# KiCad board SparkFun_GNSS_LG580P_panelized.kicad_pcb
note: Designed by: N. Seidle
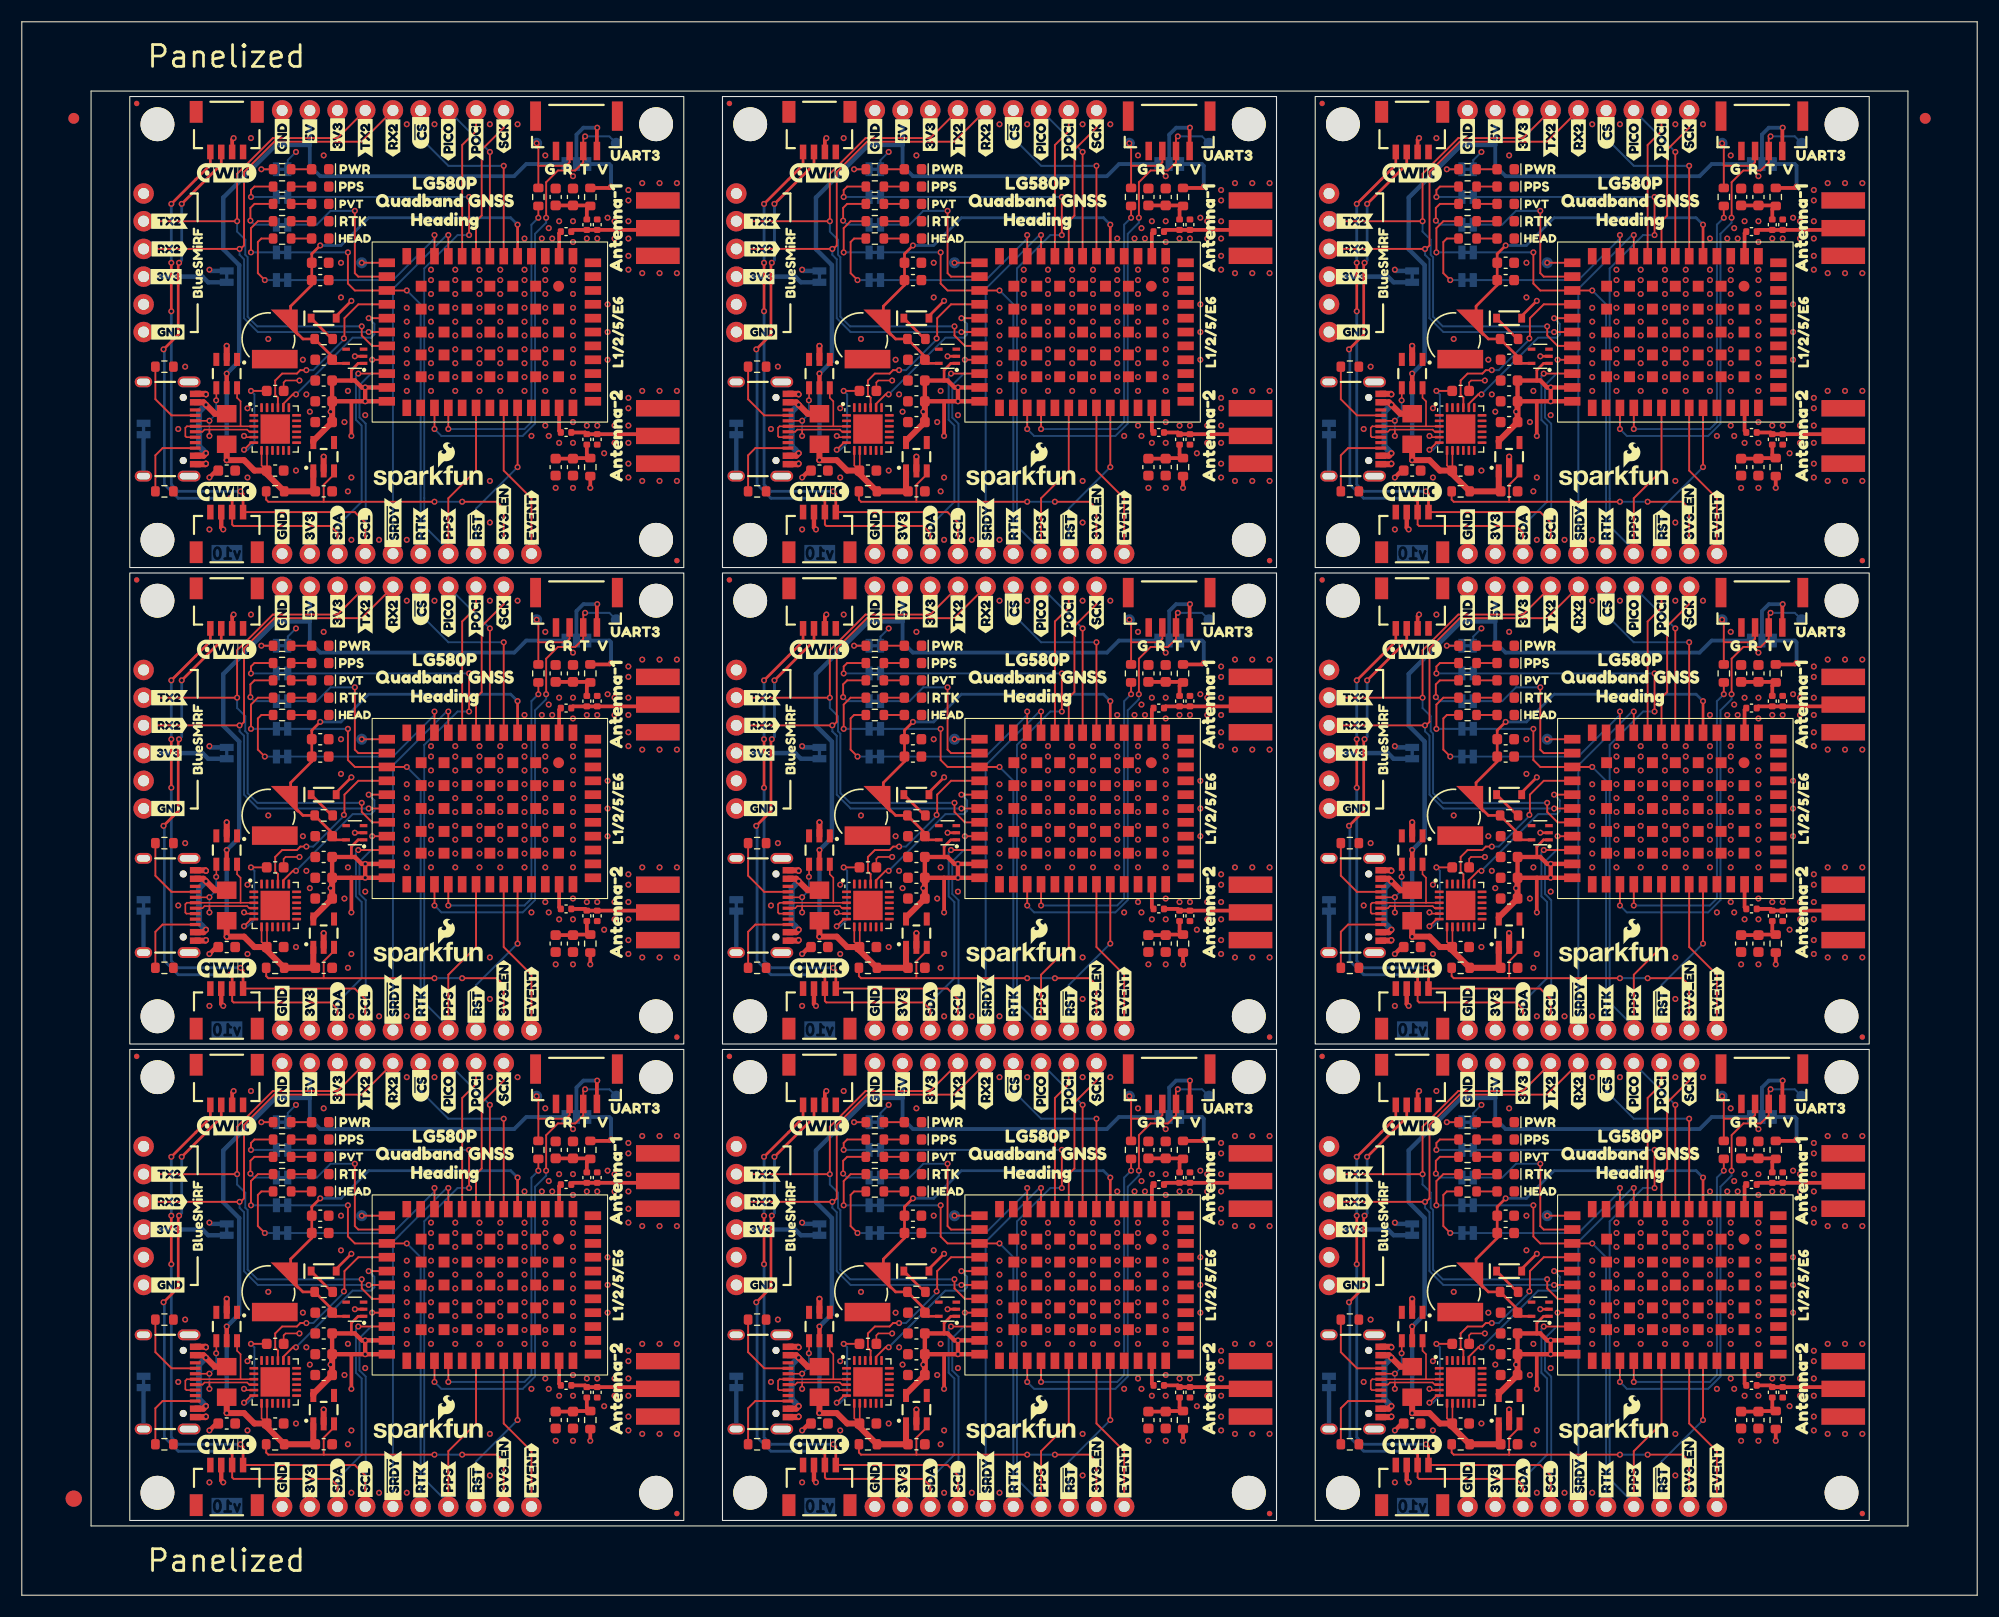
[diagram p0: board, top side]
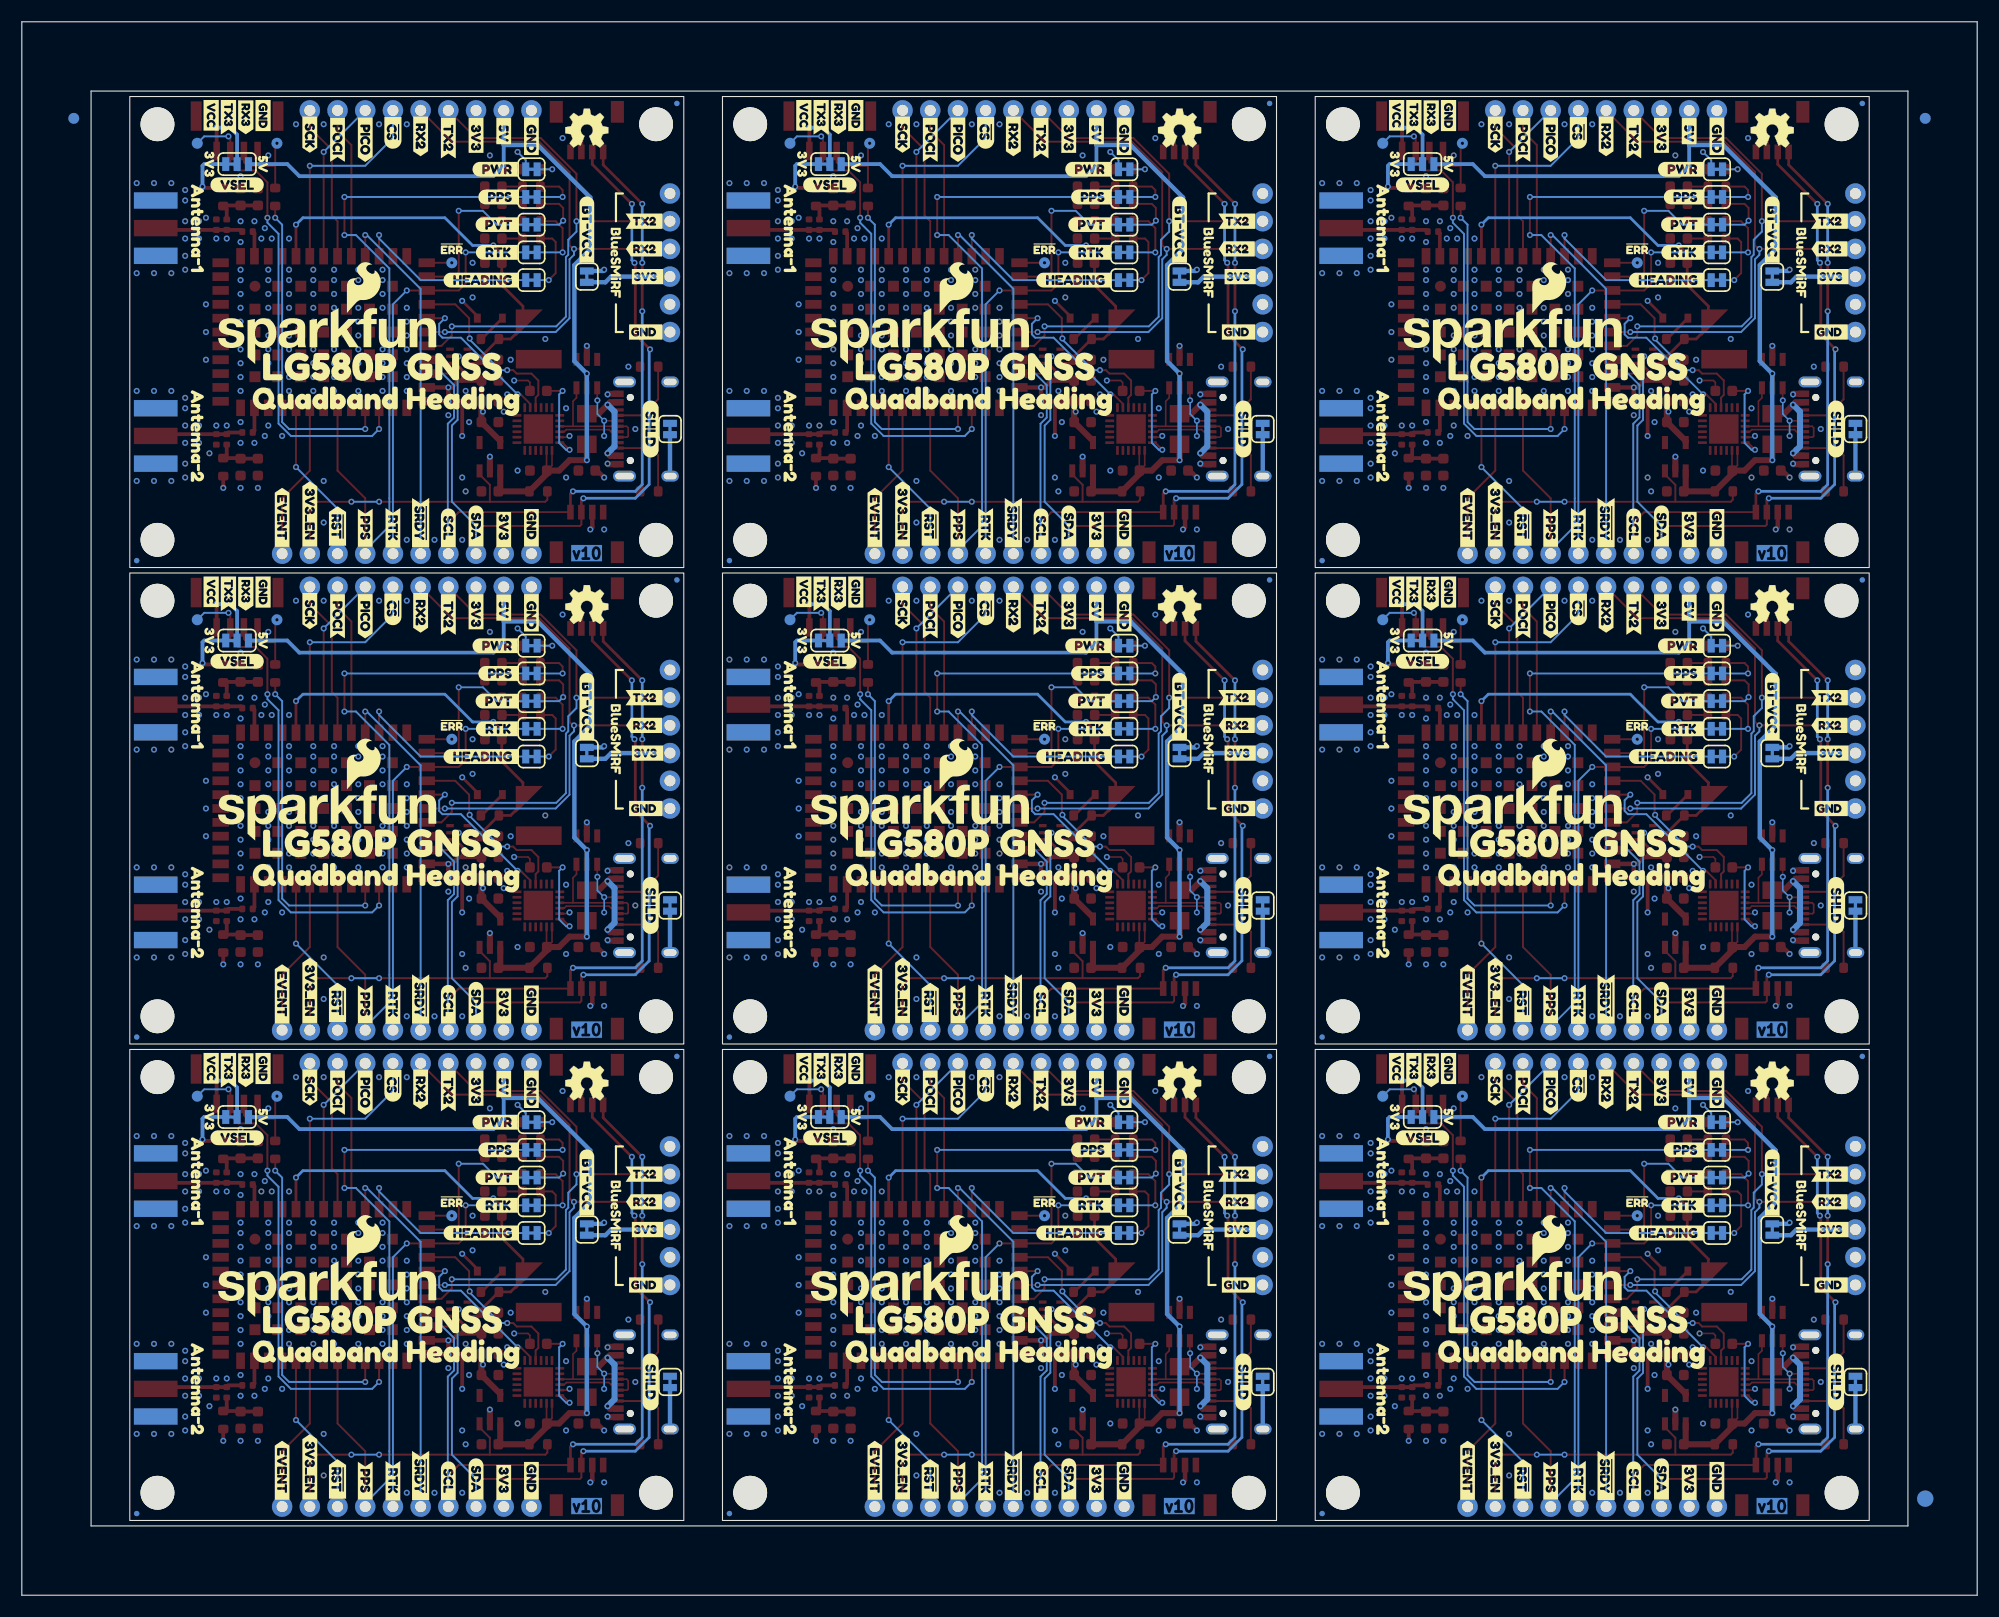
[diagram p1: board, bottom side, seen from below]

Outline 179.29 x 144.24 mm; copper layers: Top, L2.Cu, L3.Cu, Bottom. Coordinates in mm from the lower left corner of the outline.
Outline path: rectangle 9.9,137.39 60.7,94.21 ; rectangle 9.9,93.71 60.7,50.53 ; rectangle 9.9,50.03 60.7,6.85 ; rectangle 64.25,137.39 115.05,94.21 ; rectangle 64.25,93.71 115.05,50.53 ; rectangle 64.25,50.03 115.05,6.85 ; rectangle 118.59,137.39 169.39,94.21 ; rectangle 118.59,93.71 169.39,50.53 ; rectangle 118.59,50.03 169.39,6.85 ; 0,144.24 179.29,144.24 179.29,0 0,0 0,144.24 ; 6.35,137.89 172.94,137.89 172.94,6.35 6.35,6.35 6.35,137.89
Stack: Top 0.035mm / dielectric 0.1mm FR4 er 4.5 / L2.Cu 0.035mm / dielectric 1.24mm FR4 er 4.5 / L3.Cu 0.035mm / dielectric 0.1mm FR4 er 4.5 / Bottom 0.035mm

## Placement (name value [footprint] x y rotation side)
BT1  6.8mm_ML414H  [ML414H_IV01E]  22.6 27.81 0 top
BT1#2  6.8mm_ML414H  [ML414H_IV01E]  76.95 27.81 0 top
BT1#3  6.8mm_ML414H  [ML414H_IV01E]  22.6 115.17 0 top
BT1#4  6.8mm_ML414H  [ML414H_IV01E]  22.6 71.48 0 top
BT1#5  6.8mm_ML414H  [ML414H_IV01E]  131.29 27.81 0 top
BT1#6  6.8mm_ML414H  [ML414H_IV01E]  76.95 71.48 0 top
BT1#7  6.8mm_ML414H  [ML414H_IV01E]  76.95 115.17 0 top
BT1#8  6.8mm_ML414H  [ML414H_IV01E]  131.29 71.48 0 top
BT1#9  6.8mm_ML414H  [ML414H_IV01E]  131.29 115.17 0 top
C1  0.1uF  [C_0603_1608Metric]  27.68 13.84 0 top
C1#2  0.1uF  [C_0603_1608Metric]  136.37 57.52 0 top
C1#3  0.1uF  [C_0603_1608Metric]  82.03 101.2 0 top
C1#4  0.1uF  [C_0603_1608Metric]  82.03 57.52 0 top
C1#5  0.1uF  [C_0603_1608Metric]  136.37 13.84 0 top
C1#6  0.1uF  [C_0603_1608Metric]  27.68 101.2 0 top
C1#7  0.1uF  [C_0603_1608Metric]  27.68 57.52 0 top
C1#8  0.1uF  [C_0603_1608Metric]  82.03 13.84 0 top
C1#9  0.1uF  [C_0603_1608Metric]  136.37 101.2 0 top
C2  10uF  [C_0603_1608Metric]  27.68 63.87 180 top
C2#2  10uF  [C_0603_1608Metric]  136.37 63.87 180 top
C2#3  10uF  [C_0603_1608Metric]  82.03 20.19 180 top
C2#4  10uF  [C_0603_1608Metric]  27.68 107.55 180 top
C2#5  10uF  [C_0603_1608Metric]  82.03 63.87 180 top
C2#6  10uF  [C_0603_1608Metric]  82.03 107.55 180 top
C2#7  10uF  [C_0603_1608Metric]  136.37 20.19 180 top
C2#8  10uF  [C_0603_1608Metric]  136.37 107.55 180 top
C2#9  10uF  [C_0603_1608Metric]  27.68 20.19 180 top
C3  0.1uF  [C_0603_1608Metric]  48.95 40.82 90 top
C3#2  0.1uF  [C_0603_1608Metric]  157.65 128.18 90 top
C3#3  0.1uF  [C_0603_1608Metric]  103.3 84.5 90 top
C3#4  0.1uF  [C_0603_1608Metric]  48.95 84.5 90 top
C3#5  0.1uF  [C_0603_1608Metric]  48.95 128.18 90 top
C3#6  0.1uF  [C_0603_1608Metric]  103.3 128.18 90 top
C3#7  0.1uF  [C_0603_1608Metric]  103.3 40.82 90 top
C3#8  0.1uF  [C_0603_1608Metric]  157.65 40.82 90 top
C3#9  0.1uF  [C_0603_1608Metric]  157.65 84.5 90 top
C4  100pF  [C_0603_1608Metric]  104.89 84.5 90 top
C4#2  100pF  [C_0603_1608Metric]  50.54 84.5 90 top
C4#3  100pF  [C_0603_1608Metric]  50.54 128.18 90 top
C4#4  100pF  [C_0603_1608Metric]  104.89 40.82 90 top
C4#5  100pF  [C_0603_1608Metric]  159.23 40.82 90 top
C4#6  100pF  [C_0603_1608Metric]  159.23 128.18 90 top
C4#7  100pF  [C_0603_1608Metric]  104.89 128.18 90 top
C4#8  100pF  [C_0603_1608Metric]  159.23 84.5 90 top
C4#9  100pF  [C_0603_1608Metric]  50.54 40.82 90 top
C5  0.1uF  [C_0603_1608Metric]  82.03 109.45 180 top
C5#2  0.1uF  [C_0603_1608Metric]  82.03 22.09 180 top
C5#3  0.1uF  [C_0603_1608Metric]  27.68 65.77 180 top
C5#4  0.1uF  [C_0603_1608Metric]  27.68 109.45 180 top
C5#5  0.1uF  [C_0603_1608Metric]  82.03 65.77 180 top
C5#6  0.1uF  [C_0603_1608Metric]  136.37 109.45 180 top
C5#7  0.1uF  [C_0603_1608Metric]  136.37 22.09 180 top
C5#8  0.1uF  [C_0603_1608Metric]  136.37 65.77 180 top
C5#9  0.1uF  [C_0603_1608Metric]  27.68 22.09 180 top
C6  100pF  [C_0402_1005Metric]  49.9 81.33 180 top
C6#2  100pF  [C_0402_1005Metric]  104.25 37.65 180 top
C6#3  100pF  [C_0402_1005Metric]  104.25 81.33 180 top
C6#4  100pF  [C_0402_1005Metric]  49.9 125.01 180 top
C6#5  100pF  [C_0402_1005Metric]  104.25 125.01 180 top
C6#6  100pF  [C_0402_1005Metric]  158.6 37.65 180 top
C6#7  100pF  [C_0402_1005Metric]  158.6 81.33 180 top
C6#8  100pF  [C_0402_1005Metric]  158.6 125.01 180 top
C6#9  100pF  [C_0402_1005Metric]  49.9 37.65 180 top
C7  1.0uF  [C_0603_1608Metric]  77.58 15.74 0 top
C7#2  1.0uF  [C_0603_1608Metric]  23.23 103.1 0 top
C7#3  1.0uF  [C_0603_1608Metric]  23.23 59.42 0 top
C7#4  1.0uF  [C_0603_1608Metric]  131.93 59.42 0 top
C7#5  1.0uF  [C_0603_1608Metric]  77.58 59.42 0 top
C7#6  1.0uF  [C_0603_1608Metric]  77.58 103.1 0 top
C7#7  1.0uF  [C_0603_1608Metric]  131.93 103.1 0 top
C7#8  1.0uF  [C_0603_1608Metric]  131.93 15.74 0 top
C7#9  1.0uF  [C_0603_1608Metric]  23.23 15.74 0 top
C8  33pF  [C_0603_1608Metric]  136.37 24 180 top
C8#2  33pF  [C_0603_1608Metric]  27.68 67.68 180 top
C8#3  33pF  [C_0603_1608Metric]  136.37 111.36 180 top
C8#4  33pF  [C_0603_1608Metric]  82.03 24 180 top
C8#5  33pF  [C_0603_1608Metric]  27.68 111.36 180 top
C8#6  33pF  [C_0603_1608Metric]  82.03 67.68 180 top
C8#7  33pF  [C_0603_1608Metric]  82.03 111.36 180 top
C8#8  33pF  [C_0603_1608Metric]  136.37 67.68 180 top
C8#9  33pF  [C_0603_1608Metric]  27.68 24 180 top
C9  4.7uF  [C_0603_1608Metric]  27.68 69.58 180 top
C9#2  4.7uF  [C_0603_1608Metric]  82.03 25.9 180 top
C9#3  4.7uF  [C_0603_1608Metric]  27.68 113.26 180 top
C9#4  4.7uF  [C_0603_1608Metric]  136.37 69.58 180 top
C9#5  4.7uF  [C_0603_1608Metric]  82.03 113.26 180 top
C9#6  4.7uF  [C_0603_1608Metric]  136.37 25.9 180 top
C9#7  4.7uF  [C_0603_1608Metric]  82.03 69.58 180 top
C9#8  4.7uF  [C_0603_1608Metric]  136.37 113.26 180 top
C9#9  4.7uF  [C_0603_1608Metric]  27.68 25.9 180 top
C10  0.1uF  [C_0603_1608Metric]  77.58 66.72 180 top
C10#2  0.1uF  [C_0603_1608Metric]  131.93 23.04 180 top
C10#3  0.1uF  [C_0603_1608Metric]  131.93 110.4 180 top
C10#4  0.1uF  [C_0603_1608Metric]  23.23 110.4 180 top
C10#5  0.1uF  [C_0603_1608Metric]  23.23 66.72 180 top
C10#6  0.1uF  [C_0603_1608Metric]  77.58 23.04 180 top
C10#7  0.1uF  [C_0603_1608Metric]  77.58 110.4 180 top
C10#8  0.1uF  [C_0603_1608Metric]  131.93 66.72 180 top
C10#9  0.1uF  [C_0603_1608Metric]  23.23 23.04 180 top
C11  0.1uF  [C_0603_1608Metric]  136.06 78.47 0 top
C11#2  0.1uF  [C_0603_1608Metric]  136.06 34.79 0 top
C11#3  0.1uF  [C_0603_1608Metric]  136.06 122.15 0 top
C11#4  0.1uF  [C_0603_1608Metric]  27.36 78.47 0 top
C11#5  0.1uF  [C_0603_1608Metric]  27.36 122.15 0 top
C11#6  0.1uF  [C_0603_1608Metric]  81.71 34.79 0 top
C11#7  0.1uF  [C_0603_1608Metric]  81.71 78.47 0 top
C11#8  0.1uF  [C_0603_1608Metric]  81.71 122.15 0 top
C11#9  0.1uF  [C_0603_1608Metric]  27.36 34.79 0 top
C12  33pF  [C_0603_1608Metric]  27.36 120.56 0 top
C12#2  33pF  [C_0603_1608Metric]  81.71 33.2 0 top
C12#3  33pF  [C_0603_1608Metric]  27.36 76.88 0 top
C12#4  33pF  [C_0603_1608Metric]  81.71 120.56 0 top
C12#5  33pF  [C_0603_1608Metric]  81.71 76.88 0 top
C12#6  33pF  [C_0603_1608Metric]  136.06 33.2 0 top
C12#7  33pF  [C_0603_1608Metric]  136.06 76.88 0 top
C12#8  33pF  [C_0603_1608Metric]  136.06 120.56 0 top
C12#9  33pF  [C_0603_1608Metric]  27.36 33.2 0 top
C13  1.0uF  [C_0603_1608Metric]  18.79 15.74 0 top
C13#2  1.0uF  [C_0603_1608Metric]  18.79 103.1 0 top
C13#3  1.0uF  [C_0603_1608Metric]  127.48 103.1 0 top
C13#4  1.0uF  [C_0603_1608Metric]  73.14 15.74 0 top
C13#5  1.0uF  [C_0603_1608Metric]  18.79 59.42 0 top
C13#6  1.0uF  [C_0603_1608Metric]  73.14 59.42 0 top
C13#7  1.0uF  [C_0603_1608Metric]  73.14 103.1 0 top
C13#8  1.0uF  [C_0603_1608Metric]  127.48 15.74 0 top
C13#9  1.0uF  [C_0603_1608Metric]  127.48 59.42 0 top
C14  0.1uF  [C_0603_1608Metric]  103.3 103.42 270 top
C14#2  0.1uF  [C_0603_1608Metric]  103.3 59.74 270 top
C14#3  0.1uF  [C_0603_1608Metric]  157.65 103.42 270 top
C14#4  0.1uF  [C_0603_1608Metric]  48.95 59.74 270 top
C14#5  0.1uF  [C_0603_1608Metric]  103.3 16.06 270 top
C14#6  0.1uF  [C_0603_1608Metric]  157.65 16.06 270 top
C14#7  0.1uF  [C_0603_1608Metric]  48.95 103.42 270 top
C14#8  0.1uF  [C_0603_1608Metric]  157.65 59.74 270 top
C14#9  0.1uF  [C_0603_1608Metric]  48.95 16.06 270 top
C15  100pF  [C_0603_1608Metric]  104.89 59.74 270 top
C15#2  100pF  [C_0603_1608Metric]  50.54 59.74 270 top
C15#3  100pF  [C_0603_1608Metric]  50.54 103.42 270 top
C15#4  100pF  [C_0603_1608Metric]  104.89 16.06 270 top
C15#5  100pF  [C_0603_1608Metric]  159.23 16.06 270 top
C15#6  100pF  [C_0603_1608Metric]  159.23 59.74 270 top
C15#7  100pF  [C_0603_1608Metric]  159.23 103.42 270 top
C15#8  100pF  [C_0603_1608Metric]  104.89 103.42 270 top
C15#9  100pF  [C_0603_1608Metric]  50.54 16.06 270 top
C16  100pF  [C_0402_1005Metric]  49.9 106.59 180 top
C16#2  100pF  [C_0402_1005Metric]  49.9 62.91 180 top
C16#3  100pF  [C_0402_1005Metric]  104.25 62.91 180 top
C16#4  100pF  [C_0402_1005Metric]  104.25 19.23 180 top
C16#5  100pF  [C_0402_1005Metric]  104.25 106.59 180 top
C16#6  100pF  [C_0402_1005Metric]  158.6 19.23 180 top
C16#7  100pF  [C_0402_1005Metric]  158.6 106.59 180 top
C16#8  100pF  [C_0402_1005Metric]  158.6 62.91 180 top
C16#9  100pF  [C_0402_1005Metric]  49.9 19.23 180 top
D1  Red  [LED_0603_1608Metric_Red]  27.36 87.04 180 top
D1#2  Red  [LED_0603_1608Metric_Red]  81.71 87.04 180 top
D1#3  Red  [LED_0603_1608Metric_Red]  136.06 87.04 180 top
D1#4  Red  [LED_0603_1608Metric_Red]  81.71 130.72 180 top
D1#5  Red  [LED_0603_1608Metric_Red]  27.36 130.72 180 top
D1#6  Red  [LED_0603_1608Metric_Red]  81.71 43.36 180 top
D1#7  Red  [LED_0603_1608Metric_Red]  136.06 43.36 180 top
D1#8  Red  [LED_0603_1608Metric_Red]  136.06 130.72 180 top
D1#9  Red  [LED_0603_1608Metric_Red]  27.36 43.36 180 top
D2  White  [LED_0603_1608Metric_White]  81.71 125.96 180 top
D2#2  White  [LED_0603_1608Metric_White]  27.36 125.96 180 top
D2#3  White  [LED_0603_1608Metric_White]  81.71 38.6 180 top
D2#4  White  [LED_0603_1608Metric_White]  81.71 82.28 180 top
D2#5  White  [LED_0603_1608Metric_White]  136.06 125.96 180 top
D2#6  White  [LED_0603_1608Metric_White]  27.36 82.28 180 top
D2#7  White  [LED_0603_1608Metric_White]  136.06 38.6 180 top
D2#8  White  [LED_0603_1608Metric_White]  136.06 82.28 180 top
D2#9  White  [LED_0603_1608Metric_White]  27.36 38.6 180 top
D3  PESD0402  [C_0402_1005Metric]  161.46 81.96 270 top
D3#2  PESD0402  [C_0402_1005Metric]  107.11 38.28 270 top
D3#3  PESD0402  [C_0402_1005Metric]  107.11 81.96 270 top
D3#4  PESD0402  [C_0402_1005Metric]  161.46 38.28 270 top
D3#5  PESD0402  [C_0402_1005Metric]  52.76 125.64 270 top
D3#6  PESD0402  [C_0402_1005Metric]  52.76 81.96 270 top
D3#7  PESD0402  [C_0402_1005Metric]  107.11 125.64 270 top
D3#8  PESD0402  [C_0402_1005Metric]  161.46 125.64 270 top
D3#9  PESD0402  [C_0402_1005Metric]  52.76 38.28 270 top
D4  Yellow  [LED_0603_1608Metric_Yellow]  136.06 41.78 180 top
D4#2  Yellow  [LED_0603_1608Metric_Yellow]  27.36 129.13 180 top
D4#3  Yellow  [LED_0603_1608Metric_Yellow]  81.71 85.46 180 top
D4#4  Yellow  [LED_0603_1608Metric_Yellow]  81.71 129.13 180 top
D4#5  Yellow  [LED_0603_1608Metric_Yellow]  27.36 85.46 180 top
D4#6  Yellow  [LED_0603_1608Metric_Yellow]  81.71 41.78 180 top
D4#7  Yellow  [LED_0603_1608Metric_Yellow]  136.06 85.46 180 top
D4#8  Yellow  [LED_0603_1608Metric_Yellow]  136.06 129.13 180 top
D4#9  Yellow  [LED_0603_1608Metric_Yellow]  27.36 41.78 180 top
D5  PMEG4005EJ  [SOD-323]  136.37 73.39 0 top
D5#2  PMEG4005EJ  [SOD-323]  27.68 117.07 0 top
D5#3  PMEG4005EJ  [SOD-323]  82.03 73.39 0 top
D5#4  PMEG4005EJ  [SOD-323]  27.68 73.39 0 top
D5#5  PMEG4005EJ  [SOD-323]  82.03 29.71 0 top
D5#6  PMEG4005EJ  [SOD-323]  82.03 117.07 0 top
D5#7  PMEG4005EJ  [SOD-323]  136.37 29.71 0 top
D5#8  PMEG4005EJ  [SOD-323]  136.37 117.07 0 top
D5#9  PMEG4005EJ  [SOD-323]  27.68 29.71 0 top
D8  Green  [LED_0603_1608Metric_Green]  27.36 80.69 180 top
D8#2  Green  [LED_0603_1608Metric_Green]  81.71 37.01 180 top
D8#3  Green  [LED_0603_1608Metric_Green]  81.71 124.37 180 top
D8#4  Green  [LED_0603_1608Metric_Green]  136.06 80.69 180 top
D8#5  Green  [LED_0603_1608Metric_Green]  27.36 124.37 180 top
D8#6  Green  [LED_0603_1608Metric_Green]  136.06 37.01 180 top
D8#7  Green  [LED_0603_1608Metric_Green]  81.71 80.69 180 top
D8#8  Green  [LED_0603_1608Metric_Green]  136.06 124.37 180 top
D8#9  Green  [LED_0603_1608Metric_Green]  27.36 37.01 180 top
D9  Blue  [LED_0603_1608Metric_Blue]  27.36 40.19 180 top
D9#2  Blue  [LED_0603_1608Metric_Blue]  27.36 127.55 180 top
D9#3  Blue  [LED_0603_1608Metric_Blue]  81.71 40.19 180 top
D9#4  Blue  [LED_0603_1608Metric_Blue]  27.36 83.87 180 top
D9#5  Blue  [LED_0603_1608Metric_Blue]  136.06 83.87 180 top
D9#6  Blue  [LED_0603_1608Metric_Blue]  136.06 127.55 180 top
D9#7  Blue  [LED_0603_1608Metric_Blue]  81.71 127.55 180 top
D9#8  Blue  [LED_0603_1608Metric_Blue]  81.71 83.87 180 top
D9#9  Blue  [LED_0603_1608Metric_Blue]  136.06 40.19 180 top
D10  PESD0402  [C_0402_1005Metric]  107.11 105.96 90 top
D10#2  PESD0402  [C_0402_1005Metric]  52.76 62.28 90 top
D10#3  PESD0402  [C_0402_1005Metric]  52.76 105.96 90 top
D10#4  PESD0402  [C_0402_1005Metric]  107.11 18.6 90 top
D10#5  PESD0402  [C_0402_1005Metric]  107.11 62.28 90 top
D10#6  PESD0402  [C_0402_1005Metric]  161.46 62.28 90 top
D10#7  PESD0402  [C_0402_1005Metric]  161.46 105.96 90 top
D10#8  PESD0402  [C_0402_1005Metric]  161.46 18.6 90 top
D10#9  PESD0402  [C_0402_1005Metric]  52.76 18.6 90 top
D11  DF5A5.6LFU  [SOT-353]  30.54 113.58 180 top
D11#2  DF5A5.6LFU  [SOT-353]  139.23 113.58 180 top
D11#3  DF5A5.6LFU  [SOT-353]  30.54 69.9 180 top
D11#4  DF5A5.6LFU  [SOT-353]  84.88 26.22 180 top
D11#5  DF5A5.6LFU  [SOT-353]  84.88 69.9 180 top
D11#6  DF5A5.6LFU  [SOT-353]  139.23 26.22 180 top
D11#7  DF5A5.6LFU  [SOT-353]  139.23 69.9 180 top
D11#8  DF5A5.6LFU  [SOT-353]  84.88 113.58 180 top
D11#9  DF5A5.6LFU  [SOT-353]  30.54 26.22 180 top
F1  6V/0.75A/1.5A  [1206]  18.79 19.55 90 top
F1#2  6V/0.75A/1.5A  [1206]  18.79 63.23 90 top
F1#3  6V/0.75A/1.5A  [1206]  73.14 19.55 90 top
F1#4  6V/0.75A/1.5A  [1206]  73.14 63.23 90 top
F1#5  6V/0.75A/1.5A  [1206]  18.79 106.91 90 top
F1#6  6V/0.75A/1.5A  [1206]  127.48 19.55 90 top
F1#7  6V/0.75A/1.5A  [1206]  127.48 106.91 90 top
F1#8  6V/0.75A/1.5A  [1206]  73.14 106.91 90 top
F1#9  6V/0.75A/1.5A  [1206]  127.48 63.23 90 top
FID1  Fiducial_0.5mm  [Fiducial_0.5mm_Mask1mm]  60.06 94.84 180 bottom
FID1#2  Fiducial_0.5mm  [Fiducial_0.5mm_Mask1mm]  114.41 94.84 180 bottom
FID1#3  Fiducial_0.5mm  [Fiducial_0.5mm_Mask1mm]  168.76 51.17 180 bottom
FID1#4  Fiducial_0.5mm  [Fiducial_0.5mm_Mask1mm]  168.76 94.84 180 bottom
FID1#5  Fiducial_0.5mm  [Fiducial_0.5mm_Mask1mm]  60.06 51.17 180 bottom
FID1#6  Fiducial_0.5mm  [Fiducial_0.5mm_Mask1mm]  114.41 7.48 180 bottom
FID1#7  Fiducial_0.5mm  [Fiducial_0.5mm_Mask1mm]  114.41 51.17 180 bottom
FID1#8  Fiducial_0.5mm  [Fiducial_0.5mm_Mask1mm]  168.76 7.48 180 bottom
FID1#9  Fiducial_0.5mm  [Fiducial_0.5mm_Mask1mm]  60.06 7.48 180 bottom
FID2  Fiducial_0.5mm  [Fiducial_0.5mm_Mask1mm]  64.88 136.75 180 bottom
FID2#2  Fiducial_0.5mm  [Fiducial_0.5mm_Mask1mm]  119.23 49.39 180 bottom
FID2#3  Fiducial_0.5mm  [Fiducial_0.5mm_Mask1mm]  10.53 93.08 180 bottom
FID2#4  Fiducial_0.5mm  [Fiducial_0.5mm_Mask1mm]  64.88 93.08 180 bottom
FID2#5  Fiducial_0.5mm  [Fiducial_0.5mm_Mask1mm]  10.53 136.75 180 bottom
FID2#6  Fiducial_0.5mm  [Fiducial_0.5mm_Mask1mm]  64.88 49.39 180 bottom
FID2#7  Fiducial_0.5mm  [Fiducial_0.5mm_Mask1mm]  119.23 93.08 180 bottom
FID2#8  Fiducial_0.5mm  [Fiducial_0.5mm_Mask1mm]  119.23 136.75 180 bottom
FID2#9  Fiducial_0.5mm  [Fiducial_0.5mm_Mask1mm]  10.53 49.39 180 bottom
FID3  Fiducial_0.5mm  [Fiducial_0.5mm_Mask1mm]  10.53 93.08 0 top
FID3#2  Fiducial_0.5mm  [Fiducial_0.5mm_Mask1mm]  10.53 136.75 0 top
FID3#3  Fiducial_0.5mm  [Fiducial_0.5mm_Mask1mm]  64.88 49.39 0 top
FID3#4  Fiducial_0.5mm  [Fiducial_0.5mm_Mask1mm]  119.23 49.39 0 top
FID3#5  Fiducial_0.5mm  [Fiducial_0.5mm_Mask1mm]  119.23 93.08 0 top
FID3#6  Fiducial_0.5mm  [Fiducial_0.5mm_Mask1mm]  119.23 136.75 0 top
FID3#7  Fiducial_0.5mm  [Fiducial_0.5mm_Mask1mm]  64.88 136.75 0 top
FID3#8  Fiducial_0.5mm  [Fiducial_0.5mm_Mask1mm]  64.88 93.08 0 top
FID3#9  Fiducial_0.5mm  [Fiducial_0.5mm_Mask1mm]  10.53 49.39 0 top
FID4  Fiducial_0.5mm  [Fiducial_0.5mm_Mask1mm]  114.41 7.48 0 top
FID4#2  Fiducial_0.5mm  [Fiducial_0.5mm_Mask1mm]  114.41 94.84 0 top
FID4#3  Fiducial_0.5mm  [Fiducial_0.5mm_Mask1mm]  60.06 51.17 0 top
FID4#4  Fiducial_0.5mm  [Fiducial_0.5mm_Mask1mm]  168.76 7.48 0 top
FID4#5  Fiducial_0.5mm  [Fiducial_0.5mm_Mask1mm]  60.06 94.84 0 top
FID4#6  Fiducial_0.5mm  [Fiducial_0.5mm_Mask1mm]  114.41 51.17 0 top
FID4#7  Fiducial_0.5mm  [Fiducial_0.5mm_Mask1mm]  168.76 51.17 0 top
FID4#8  Fiducial_0.5mm  [Fiducial_0.5mm_Mask1mm]  168.76 94.84 0 top
FID4#9  Fiducial_0.5mm  [Fiducial_0.5mm_Mask1mm]  60.06 7.48 0 top
G1  OSHW_Logo  [Creative_Commons_License]  107.05 -35.06 0 top
G***  LOGO  [qwiic_5.5mm]  18.79 86.72 0 top
G***#2  LOGO  [qwiic_5.5mm]  73.14 43.05 0 top
G***#3  LOGO  [qwiic_5.5mm]  18.79 130.41 0 top
G***#4  LOGO  [qwiic_5.5mm]  73.14 130.41 0 top
G***#5  LOGO  [qwiic_5.5mm]  127.48 43.05 0 top
G***#6  LOGO  [qwiic_5.5mm]  127.48 86.72 0 top
G***#7  LOGO  [qwiic_5.5mm]  127.48 130.41 0 top
G***#8  LOGO  [qwiic_5.5mm]  73.14 86.72 0 top
G***#9  LOGO  [qwiic_5.5mm]  18.79 43.05 0 top
G***#10  LOGO  [qwiic_5.5mm]  127.48 13.84 0 top
G***#11  LOGO  [qwiic_5.5mm]  18.79 101.2 0 top
G***#12  LOGO  [qwiic_5.5mm]  18.79 57.52 0 top
G***#13  LOGO  [qwiic_5.5mm]  73.14 57.52 0 top
G***#14  LOGO  [qwiic_5.5mm]  73.14 101.2 0 top
G***#15  LOGO  [qwiic_5.5mm]  73.14 13.84 0 top
G***#16  LOGO  [qwiic_5.5mm]  127.48 101.2 0 top
G***#17  LOGO  [qwiic_5.5mm]  127.48 57.52 0 top
G***#18  LOGO  [qwiic_5.5mm]  18.79 13.84 0 top
G***#19  LOGO  [SparkFun_Logo_10mm]  37.2 58.78 0 top
G***#20  LOGO  [SparkFun_Logo_10mm]  91.55 15.11 0 top
G***#21  LOGO  [SparkFun_Logo_10mm]  91.55 58.78 0 top
G***#22  LOGO  [SparkFun_Logo_10mm]  37.2 102.47 0 top
G***#23  LOGO  [SparkFun_Logo_10mm]  91.55 102.47 0 top
G***#24  LOGO  [SparkFun_Logo_10mm]  145.9 102.47 0 top
G***#25  LOGO  [SparkFun_Logo_10mm]  145.9 15.11 0 top
G***#26  LOGO  [SparkFun_Logo_10mm]  145.9 58.78 0 top
G***#27  LOGO  [SparkFun_Logo_10mm]  37.2 15.11 0 top
G***#28  LOGO  [SparkFun_Logo_20mm]  42.92 28.44 180 bottom
G***#29  LOGO  [SparkFun_Logo_20mm]  97.27 28.44 180 bottom
G***#30  LOGO  [SparkFun_Logo_20mm]  97.27 115.8 180 bottom
G***#31  LOGO  [SparkFun_Logo_20mm]  151.61 72.12 180 bottom
G***#32  LOGO  [SparkFun_Logo_20mm]  42.92 115.8 180 bottom
G***#33  LOGO  [SparkFun_Logo_20mm]  42.92 72.12 180 bottom
G***#34  LOGO  [SparkFun_Logo_20mm]  97.27 72.12 180 bottom
G***#35  LOGO  [SparkFun_Logo_20mm]  151.61 28.44 180 bottom
G***#36  LOGO  [SparkFun_Logo_20mm]  151.61 115.8 180 bottom